# Altium PCB BSPD_mod_0513.PcbDoc
Units mm, origin at the board's own origin, x right, y up, seen from the top; angles counter-clockwise.
Board outline 85 x 75 mm, 2 copper layers (Top Layer, Bottom Layer), stack 1.571 mm thick; 82 components, 51 nets, 239 pads, 122 vias.
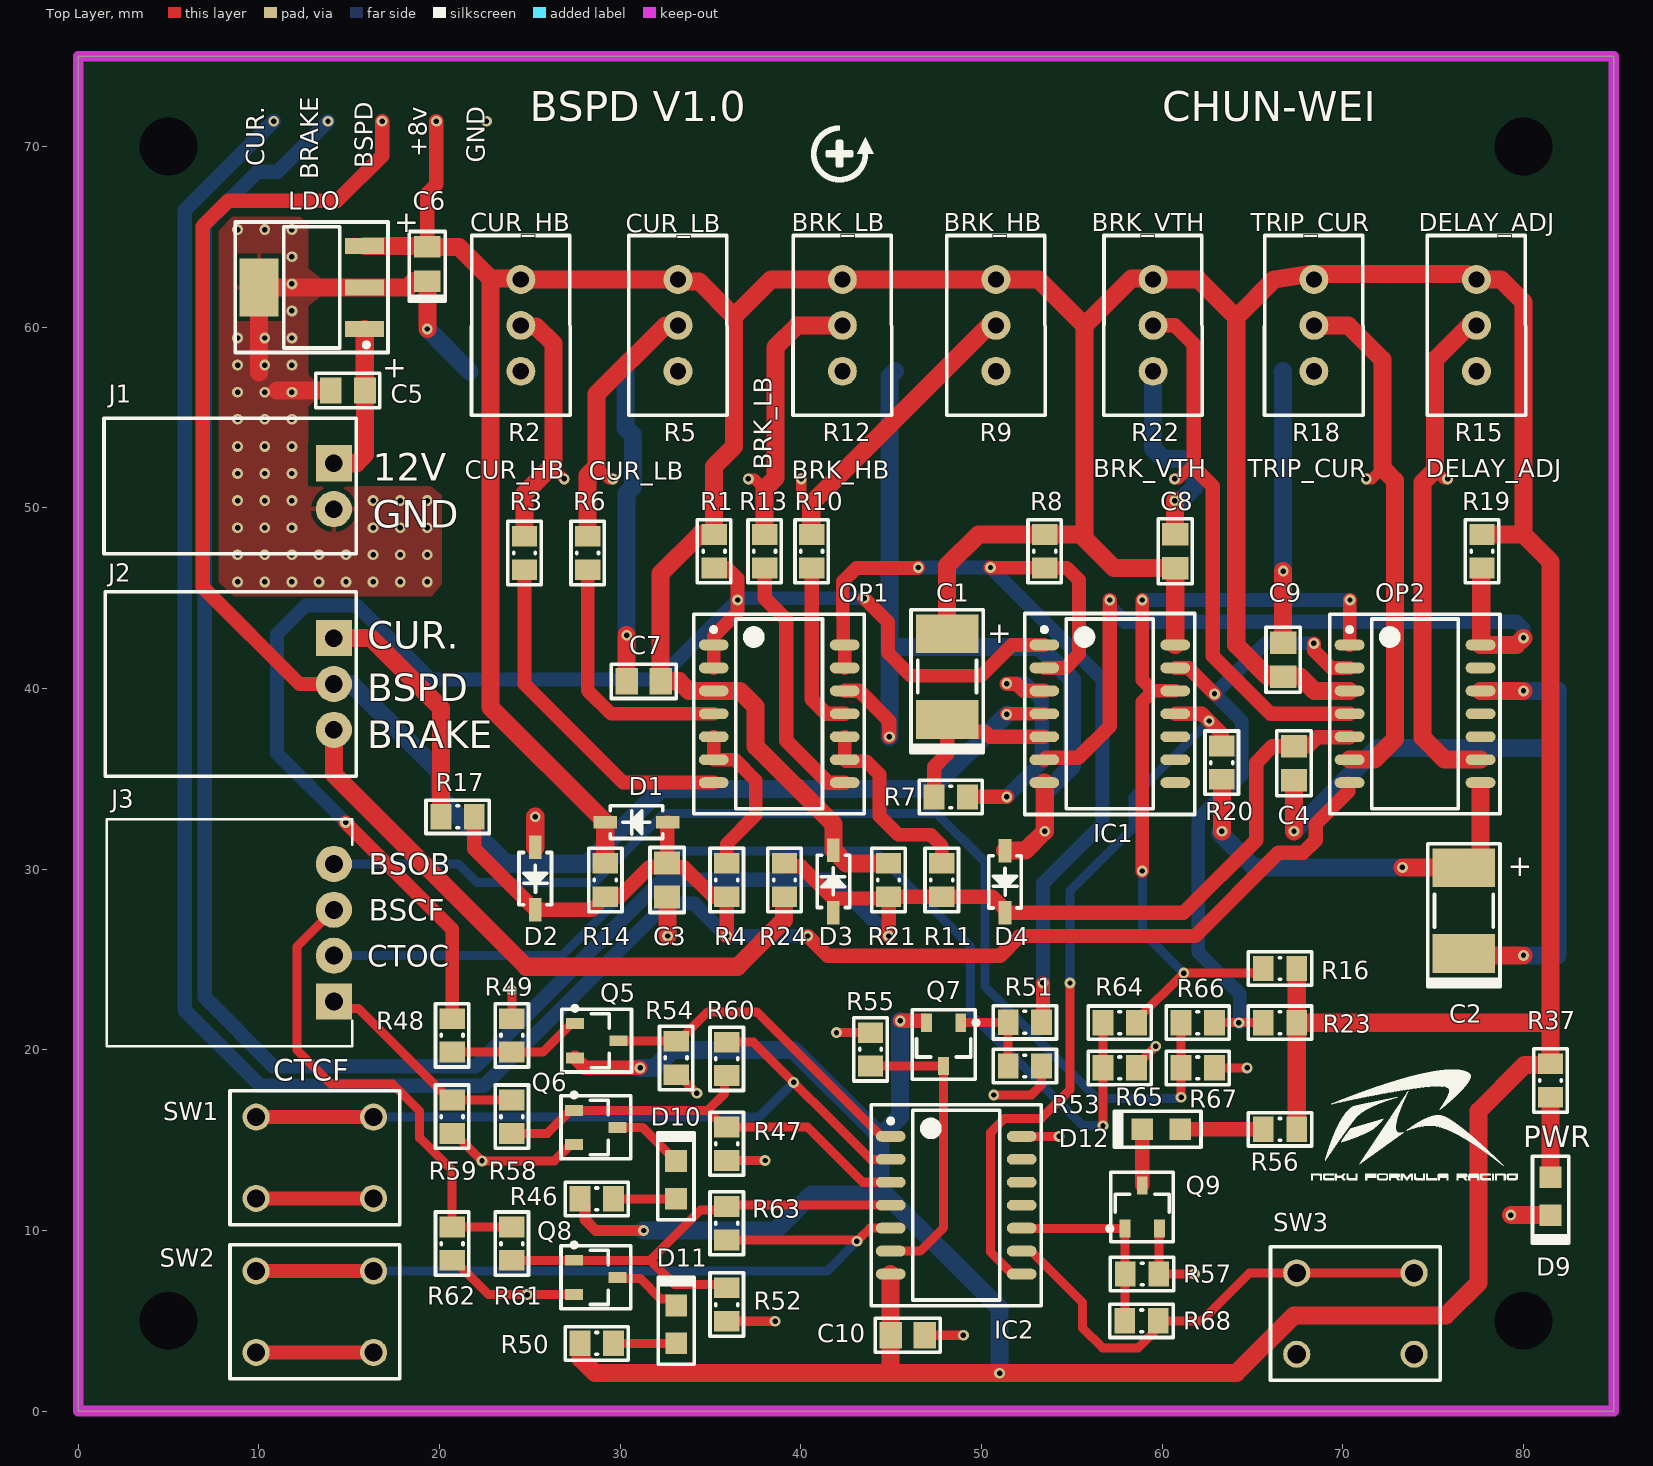
[diagram p0: Top Layer view]
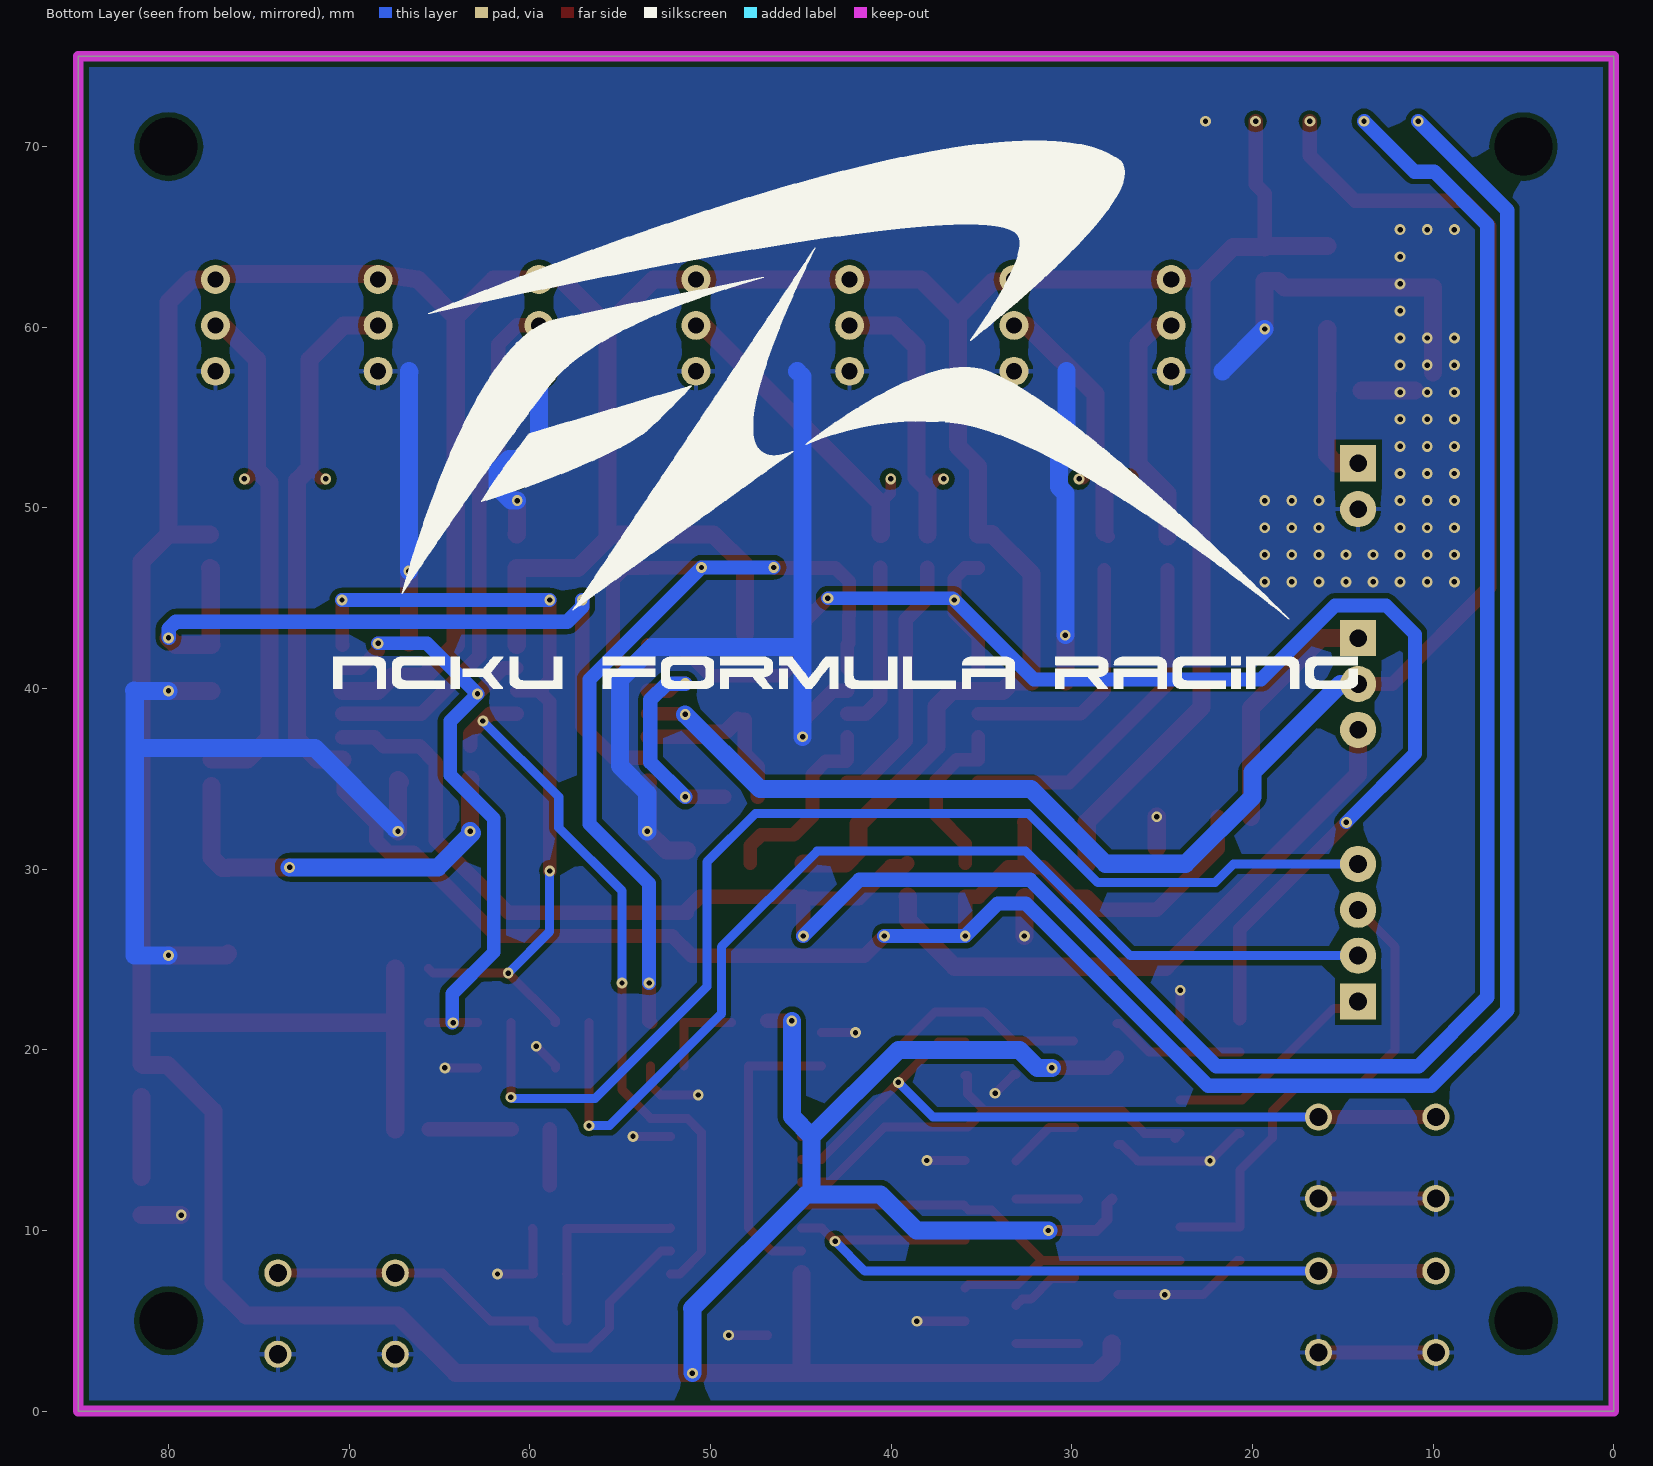
[diagram p1: Bottom Layer view, seen from below]
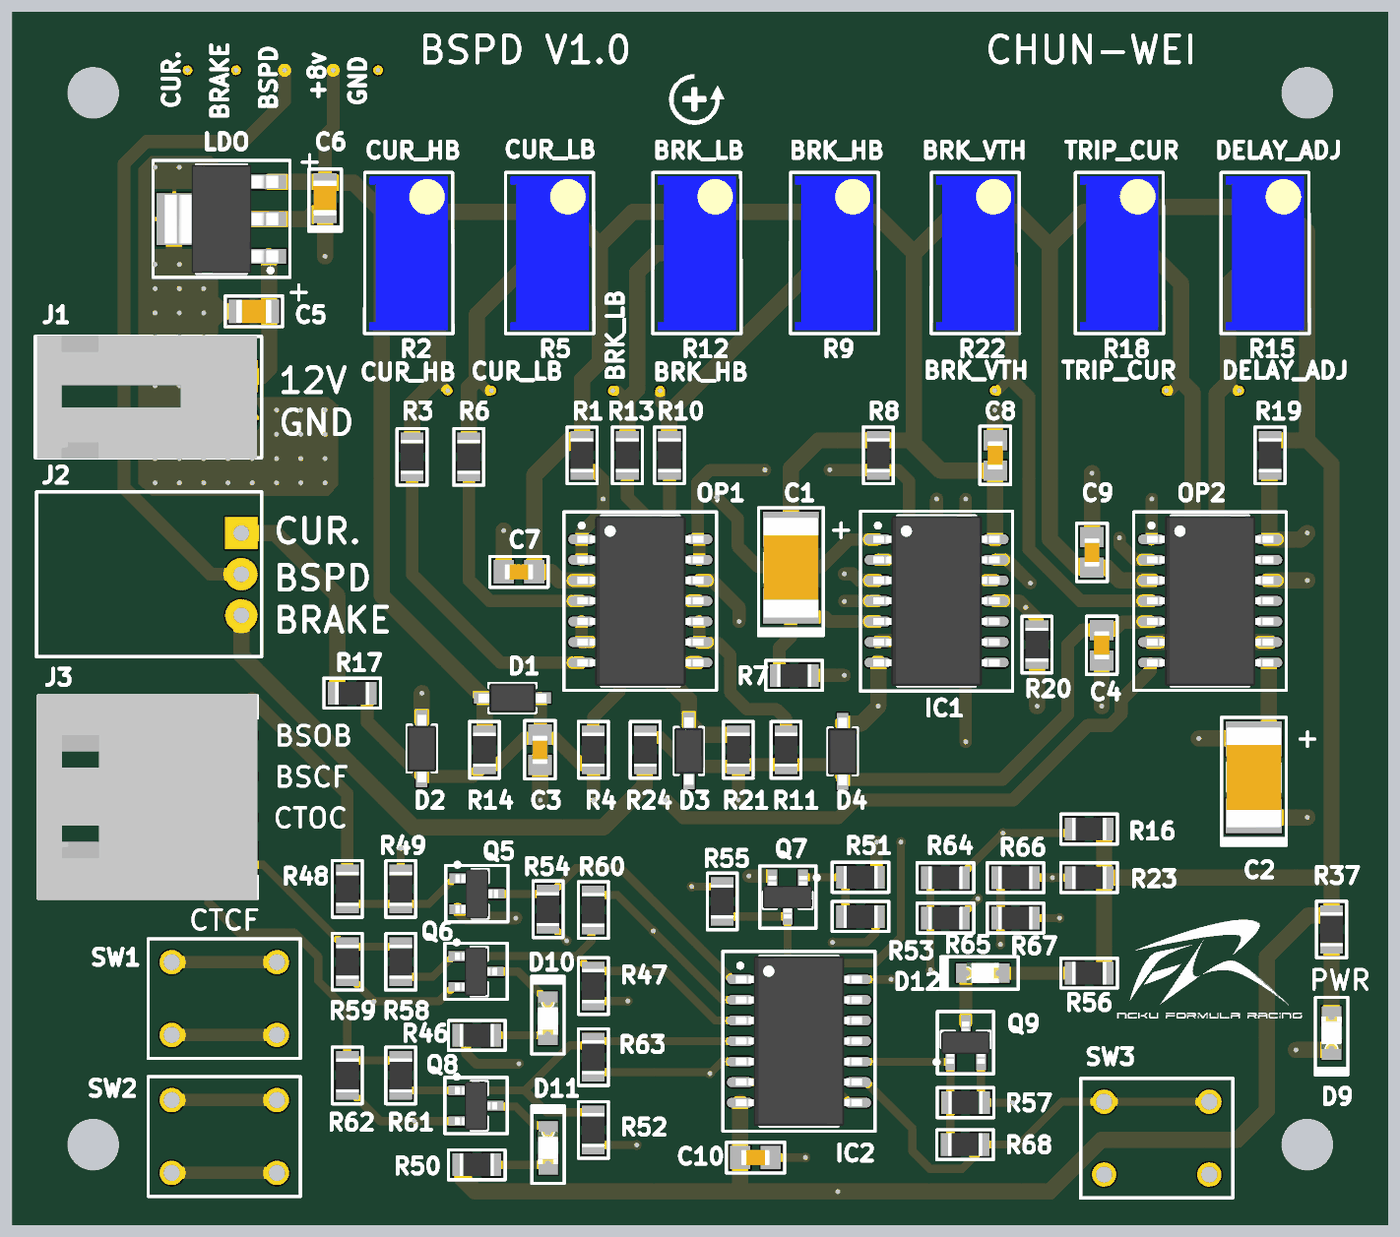
[diagram p2: 3D render of the assembled board from above, using the file's embedded part models]

## Layer stack, top to bottom
Top Solder: solder mask 0.0102, Solder Resist, Dk 3.5
Top Layer: signal copper 0.0356
Dielectric 1: dielectric 1.5, FR-4, Dk 4.8
Bottom Layer: signal copper 0.0356
Bottom Solder: solder mask 0.0102, Solder Resist, Dk 3.5

## Board outline
0,0 0,75 85,75 85,0

## Design rules (kind name [scope] priority, off if disabled: settings)
Clearance [All] p1: gap=0.3 ignorepadtopadclearanceinfootprint=FALSE
PlaneConnect [All] p1: pad.planeconnectstyle=Relief pad.reliefexpansion=0.508 pad.reliefentries=4 pad.reliefconductorwidth=0.254 pad.reliefairgap=0.254 via.planeconnectstyle=Direct via.reliefexpansion=0.508 via.reliefentries=4 via.reliefconductorwidth=0.254 via.reliefairgap=0.254
PolygonConnect [All] p1: thpad.connectstyle=Relief thpad.reliefconductorwidth=0.254 thpad.reliefentries=4 thpad.polygonreliefangle="90 Angle" thpad.airgapwidth=0.254 smdpad.connectstyle=Relief smdpad.reliefconductorwidth=0.254 smdpad.reliefentries=4 smdpad.polygonreliefangle="90 Angle" smdpad.airgapwidth=0.254 via.connectstyle=Direct via.reliefconductorwidth=0.254 via.reliefentries=4 via.polygonreliefangle="90 Angle" via.airgapwidth=0.254
RoomDefinition BSPD_mod_0513 [InComponentClass('BSPD_mod_0513')] p1: confinementstyle=ConfineIn formatcopy=TRUE lockcomponents=FALSE outline 0,0 50.8,0 50.8,25.4 0,25.4
RoutingVias [All] p1: holewidth=0.3 width=0.6 viastyle="Through Hole" minholewidth=0.3 minwidth=0.6 maxholewidth=0.6 maxwidth=1
SolderMaskExpansion [All] p1: expansion=0.102
Width [All] p1: maxlimit=1 minlimit=0.3 preferedwidth=0.5
29 further rules are at their usual default settings.

## Components (designator, comment, footprint, x,y, rotation, side; value= is the part's Value field where it differs from the comment)
C1 "6.8uF" 2312-6.8UF-CAPACITOR 48.1,40.66 r270 top
C2 "6.8uF" 2312-6.8UF-CAPACITOR 76.7,27.7 r270 top
C3 "0.1uF" 0603-0.1UF-CAPACITOR 32.6,29.4 r90 top
C4 "0.1uF" 0603-0.1UF-CAPACITOR 67.3,35.86 r90 top
C5 "0.47uF" 0805-0.47UF-CAPACITOR 14.925,56.5 r0 top
C6 "22uF" 0805-22UF-CAPACITOR 19.325,63.5 r270 top
C7 "0.1uF" 0603-0.1UF-CAPACITOR 31.3,40.4 r0 top
C8 "0.1uF" 0603-0.1UF-CAPACITOR 60.725,47.6 r270 top
C9 "0.1uF" 0603-0.1UF-CAPACITOR 66.7,41.6 r270 top
C10 "0.1uF" 0603-0.1UF-CAPACITOR 45.915,4.2 r180 top
D1 "1N4148" 1N4148W-TP 30.9,32.6 r0 top
D2 "1N4148" 1N4148W-TP 25.3,29.475 r90 top
D3 "1N4148" 1N4148W-TP 41.8,29.325 r270 top
D4 "1N4148" 1N4148W-TP 51.3,29.3 r90 top
D9 "led-150080RS75000" LED-0805 81.5,11.9 r90 top
D10 "led-150080RS75000" LED-0805 33.088,12.8 r270 top
D11 "led-150080RS75000" LED-0805 33.1,4.8 r270 top
D12 "led-150080RS75000" LED-0805 59.95,15.6 r0 top
IC1 "CD4081" CD4081BM 57.1,38.6 r0 top
IC2 "CD4071" CD4081BM 48.6,11.4 r0 top
J1 "header" 2PIN-HEADER 14.15,51.2 r0 top
J2 "header" 3PIN-HEADER 14.15,40.25 r0 top
J3 "4x1 header" *TE_5-103634-3 14.15,26.48 r90 top
LDO "LM2940IMPX-8.0/NOPB" LM2940IMPX-8.0/NOPB 12.925,62.2 r180 top
OP1 "LM339" LM339ADR 38.8,38.6 r0 top
OP2 "LM339" LM339ADR 74,38.6 r0 top
Q5 "TP610K" TP0610K-T1-E3 28.7,20.5 r0 top
Q6 "2N7002" 2N7002 28.65,15.7 r0 top
Q7 "TP610K" TP0610K-T1-E3 47.9,20.3 r270 top
Q8 "2N7002" 2N7002 28.65,7.4 r0 top
Q9 "2N7002" 2N7002 58.9,11.3 r90 top
R1 "10kR" 0805-RESISTOR 35.2,47.6 r90 top
R2 "50kR" 50KR-VERTICAL 24.5,60.1 r0 top
R3 "10kR" 0805-RESISTOR 24.7,47.5 r270 top
R4 "10kR" 0805-RESISTOR 35.9,29.4 r90 top
R5 "50kR" 50KR-VERTICAL 33.2,60.1 r0 top
R6 "10kR" 0805-RESISTOR 28.2,47.5 r270 top
R7 "100kR" 0805-RESISTOR 48.3,34 r180 top
R8 "10kR" 0805-RESISTOR 53.5,47.6 r90 top
R9 "50kR" 50KR-VERTICAL 50.8,60.1 r0 top
R10 "10kR" 0805-RESISTOR 40.6,47.6 r270 top
R11 "10kR" 0805-RESISTOR 47.8,29.4 r90 top
R12 "50kR" 50KR-VERTICAL 42.3,60.1 r0 top
R13 "10kR" 0805-RESISTOR 38,47.6 r270 top
R14 "39kR" 0805-RESISTOR 29.175,29.4 r90 top
R15 "50kR" 50KR-VERTICAL 77.4,60.1 r0 top
R16 "10kR" 0805-RESISTOR 66.525,24.5 r0 top
R17 "100R" 0805-RESISTOR 21,32.9 r0 top
R18 "50kR" 50KR-VERTICAL 68.4,60.1 r0 top
R19 "39kR" 0805-RESISTOR 77.7,47.6 r90 top
R20 "100kR" 0805-RESISTOR 63.3,35.9 r270 top
R21 "39kR" 0805-RESISTOR 44.85,29.4 r90 top
R22 "50kR" 50KR-VERTICAL 59.5,60.1 r0 top
R23 "10kR" 0805-RESISTOR 66.525,21.5 r0 top
R24 "100R" 0805-RESISTOR 39.1,29.4 r90 top
R37 "470R" 0805-RESISTOR 81.5,18.3 r90 top
R46 "470R" 0805-RESISTOR 28.7,11.75 r180 top
R47 "10kR" 0805-RESISTOR 35.9,14.8 r90 top
R48 "100R" 0805-RESISTOR 20.7,20.8 r270 top
R49 "100kR" 0805-RESISTOR 24,20.8 r90 top
R50 "470R" 0805-RESISTOR 28.7,3.75 r180 top
R51 "100R" 0805-RESISTOR 52.4,21.525 r180 top
R52 "10kR" 0805-RESISTOR 35.9,5.9 r90 top
R53 "100kR" 0805-RESISTOR 52.4,19.1 r0 top
R54 "10kR" 0805-RESISTOR 33.1,19.55 r90 top
R55 "10kR" 0805-RESISTOR 43.86,20.025 r270 top
R56 "470R" 0805-RESISTOR 66.525,15.6 r180 top
R57 "10kR" 0805-RESISTOR 58.887,7.59 r180 top
R58 "60KR" 0805-RESISTOR 24,16.3 r90 top
R59 "100kR" 0805-RESISTOR 20.7,16.3 r270 top
R60 "10kR" 0805-RESISTOR 35.9,19.5 r270 top
R61 "60KR" 0805-RESISTOR 24,9.275 r90 top
R62 "100kR" 0805-RESISTOR 20.7,9.275 r270 top
R63 "10kR" 0805-RESISTOR 35.9,10.4 r90 top
R64 "60KR" 0805-RESISTOR 57.65,21.5 r180 top
R65 "100kR" 0805-RESISTOR 57.65,19 r180 top
R66 "60KR" 0805-RESISTOR 61.975,21.5 r180 top
R67 "100kR" 0805-RESISTOR 61.975,19 r180 top
R68 "10kR" 0805-RESISTOR 58.86,5 r180 top
SW1 "(button)95C06A2T" BUTTON-DIP 13.1,14.025 r0 top
SW2 "(button)95C06A2T" BUTTON-DIP 13.1,5.5 r0 top
SW3 "(button)95C06A2T" BUTTON-DIP 70.7,5.4 r0 top

## Footprints (in the part's own frame and the unit in brackets; to place one, negate y for a bottom-side part, rotate by r counter-clockwise, add the part's x,y. Pads: shape width x height; smd on the part's side, far side on the other; paste and mask are expansions set on the pad)
1N4148W-TP [mm] "SODFL, 2-Leads, Body 1.60x4.18mm, IPC Medium Density"
  rect 1.3x0.7 smd: 1(-1.725,0) 2(1.725,0)
  silkscreen extent -1.45,-0.9 1.45,1.6, body extent -2.09,-0.9 2.09,0.9, height 1.35
2N7002 [mm] "SOT23, 3-Leads, Body 2.90x2.45mm, Pitch 0.95mm, IPC Medium Density"
  rect 1x0.6 smd: 1(-1.2,0.95) 2(1.2,0) 3(-1.2,-0.95)
  silkscreen extent -1.92,-1.73 1.92,1.92, body extent -1.3,-1.5 1.3,1.5, height 1.1
2PIN-HEADER [mm]
  rect 2x2 hole 0.97: 1(0,1.27)
  round 2 hole 0.97: 2(0,-1.27)
  silkscreen extent -12.73,-3.75 1.25,3.75, body extent -12.62,-3.81 0.96,3.81, height 7
3PIN-HEADER [mm]
  rect 2x2 hole 0.97: 1(0,2.54)
  round 2 hole 0.97: 2(0,0) 3(0,-2.54)
  silkscreen extent -12.65,-5.1 1.25,5.1, body extent -14.15,-5.03 0.97,5.13, height 7
50KR-VERTICAL [mm]
  round 1.6 hole 0.9: 1(0,2.54) 2(0,0) 3(0,-2.54)
  silkscreen extent -2.73,-4.97 2.73,4.97, body extent -2.43,-4.77 2.41,4.75, height 11.57
0603-0.1UF-CAPACITOR [mm] "Chip Capacitor, 2-Leads, Body 1.60x0.85mm, IPC Medium Density"
  rect 1.25x1.45 smd: 1(-0.94,0) 2(0.94,0)
  silkscreen extent -1.8,-0.95 1.8,0.95, body extent -0.88,-0.48 0.88,0.48, height 0.95
0805-0.47UF-CAPACITOR [mm] "Chip Capacitor, 2-Leads, Body 2.00x1.25mm, IPC Medium Density"
  rect 1.2x1.45 smd: 1(-0.95,0) 2(0.95,0)
  silkscreen extent -1.78,-0.95 1.78,0.95, body extent -1.1,-0.72 1.1,0.72, height 1.1
0805-22UF-CAPACITOR [mm] "Chip Capacitor, 2-Leads, Body 2.00x1.25mm, IPC Medium Density"
  rect 1.2x1.45 smd: 1(-0.95,0) 2(0.95,0)
  silkscreen extent -1.8,-1 2.05,1, body extent -1.1,-0.72 1.1,0.72, height 1.25
0805-RESISTOR [mm] "Chip Resistor, 2-Leads, Body 2.00x1.25mm, IPC Medium Density"
  rect 1.15x1.4 smd: 1(-0.925,0) 2(0.925,0)
  silkscreen extent -1.75,-0.92 1.75,0.92, body extent -1.05,-0.7 1.05,0.7, height 0.6
2312-6.8UF-CAPACITOR [mm] "Chip Capacitor, 2-Leads, Body 6.00x3.25mm, IPC Medium Density"
  rect 2.15x3.45 smd: 1(-2.375,0) 2(2.375,0)
  silkscreen extent -3.7,-2 4.2,2.05, body extent -3.1,-1.7 3.1,1.7, height 2.8
*TE_5-103634-3 [mm]
  rect 2x2 hole 1: 1(-3.81,0)
  round 2 hole 1: 2(-1.27,0) 3(1.27,0) 4(3.81,0)
  silkscreen extent -6.29,-1.02 6.29,12.57, body extent -6.32,-0.99 6.38,12.59, height 7
BUTTON-DIP [mm]
  round 1.5 hole 1: 1(-3.25,2.25) 2(3.25,2.25) 3(-3.25,-2.25) 4(3.25,-2.25)
  silkscreen extent -4.7,-3.7 4.7,3.7
CD4081BM [mm]
  oval 1.65x0.6 smd: 1(-3.625,3.81) 2(-3.625,2.54) 3(-3.625,1.27) 4(-3.625,0) 5(-3.625,-1.27) 6(-3.625,-2.54) 7(-3.625,-3.81) 8(3.625,-3.81) 9(3.625,-2.54) 10(3.625,-1.27) 11(3.625,0) 12(3.625,1.27) 13(3.625,2.54) 14(3.625,3.81)
  silkscreen extent -4.7,-5.58 4.7,5.55, body extent -3.9,-5.25 3.9,5.25, height 2
LED-0805 [mm]
  rect 1.2x1.2 smd: 1(-1.05,0) 2(1.05,0)
  silkscreen extent -2.6,-1 2.2,1, body extent -1,-0.62 1,0.63, height 0.7
LM339ADR [mm]
  oval 1.65x0.6 smd: 1(-3.625,3.81) 2(-3.625,2.54) 3(-3.625,1.27) 4(-3.625,0) 5(-3.625,-1.27) 6(-3.625,-2.54) 7(-3.625,-3.81) 8(3.625,-3.81) 9(3.625,-2.54) 10(3.625,-1.27) 11(3.625,0) 12(3.625,1.27) 13(3.625,2.54) 14(3.625,3.81)
  silkscreen extent -4.72,-5.53 4.7,5.5, body extent -3.9,-5.25 3.9,5.25, height 2
LM2940IMPX-8.0/NOPB [mm] "SOT223, 4-Leads, Body 6.50x7.00mm (avg), Pitch 2.30mm, IPC Medium Density"
  rect 2.15x0.9 smd: 1(-2.925,2.3) 2(-2.925,0) 3(-2.925,-2.3)
  rect 2.15x3.2 smd: 4(2.925,0)
  silkscreen extent -4.23,-3.62 4.23,3.6, body extent -3.5,-3.35 3.5,3.35, height 1.8
TP0610K-T1-E3 [mm] "SOT23, 3-Leads, Body 2.92x2.37mm, Pitch 0.95mm, IPC Medium Density"
  rect 1x0.6 smd: 1(-1.2,0.95) 2(-1.2,-0.95) 3(1.2,0)
  silkscreen extent -1.92,-1.73 1.92,1.92, body extent -1.32,-1.52 1.32,1.52, height 1.12

## Part data
C1: library part 6.8uF-TAJC685K050RNJ, "Cap Tant Solid 6.8uF 50V C CASE 10% (6 X 3.2 X 2.6mm) Inward L SMD 6032-28 1 Ohm 125C T/R", Case/Package=Molded, Case Code (Imperial)=2312, Case Code (Metric)=6032, Dielectric Material=Tantalum, ESR (Equivalent Series Resistance)=1R, Leakage Current=3.4uA, Manufacturer=AVX, Manufacturer Part Number=TAJC685K050RNJ, Max Operating Temperature=125°C, Min Operating Temperature=-55°C, Package Quantity=1, Supplier Part Number 1=581-TAJC685K050RNJ, Tolerance=10%, Voltage Rating=50V, Capacitance=6.8uF, ComponentLink1Description=https://datasheet.ciiva.com/267/taj-267945.pdf?src-supplier=Digi-Key, ComponentLink1URL=https://datasheet.ciiva.com/267/taj-267945.pdf?src-supplier=Digi-Key, ComponentLink2Description=https://datasheet.ciiva.com/267/taj-267946.pdf?src-supplier=Digi-Key, ComponentLink2URL=https://datasheet.ciiva.com/267/taj-267946.pdf?src-supplier=Digi-Key, ComponentLink3Description=https://datasheet.ciiva.com/267/taj-267947.pdf?src-supplier=Digi-Key, ComponentLink3URL=https://datasheet.ciiva.com/267/taj-267947.pdf?src-supplier=Digi-Key, ComponentLink4Description=https://datasheet.ciiva.com/12910/taj-27497-12910591.pdf?src-supplier=Mouser, ComponentLink4URL=https://datasheet.ciiva.com/12910/taj-27497-12910591.pdf?src-supplier=Mouser, ComponentLink5Description=https://datasheet.ciiva.com/17338/taj-17338791.pdf?src-supplier=Avnet+Europe, ComponentLink5URL=https://datasheet.ciiva.com/17338/taj-17338791.pdf?src-supplier=Avnet+Europe, ComponentLink6Description=http://datasheet.octopart.com/TAJC685K050RNJ-AVX-datasheet-50868559.pdf?src-supplier=AVX, ComponentLink6URL=http://datasheet.octopart.com/TAJC685K050RNJ-AVX-datasheet-50868559.pdf?src-supplier=AVX, ComponentLink7Description=http://datasheet.octopart.com/TAJC685K050RNJ-AVX-datasheet-5313859.pdf?src-supplier=Element14, ComponentLink7URL=http://datasheet.octopart.com/TAJC685K050RNJ-AVX-datasheet-5313859.pdf?src-supplier=Element14, ComponentLink8Description=http://datasheet.octopart.com/TAJC685K050RNJ-AVX-datasheet-78694144.pdf?src-supplier=Element14, ComponentLink8URL=http://datasheet.octopart.com/TAJC685K050RNJ-AVX-datasheet-78694144.pdf?src-supplier=Element14, ComponentLink9Description=http://datasheet.octopart.com/TAJC685K050RNJ-AVX-Interconnect---Elco-datasheet-8359467.pdf, ComponentLink9URL=http://datasheet.octopart.com/TAJC685K050RNJ-AVX-Interconnect---Elco-datasheet-8359467.pdf, ComponentLink10Description=http://datasheet.octopart.com/TAJC685K050RNJ-AVX-Interconnect---Elco-datasheet-8398506.pdf, ComponentLink10URL=http://datasheet.octopart.com/TAJC685K050RNJ-AVX-Interconnect---Elco-datasheet-8398506.pdf, ComponentLink11Description=http://datasheet.octopart.com/TAJC685K050RNJ-AVX-Interconnect---Elco-datasheet-12511273.pdf, ComponentLink11URL=http://datasheet.octopart.com/TAJC685K050RNJ-AVX-Interconnect---Elco-datasheet-12511273.pdf, ComponentLink12Description=http://datasheet.octopart.com/TAJC685K050RNJ-AVX-Interconnect---Elco-datasheet-5308206.pdf?src-supplier=Factory+Futures, ComponentLink12URL=http://datasheet.octopart.com/TAJC685K050RNJ-AVX-Interconnect---Elco-datasheet-5308206.pdf?src-supplier=Factory+Futures, ComponentLink13Description=http://datasheet.octopart.com/TAJC685K050RNJ-AVX-Interconnect---Elco-datasheet-5393561.pdf?src-supplier=Factory+Futures, ComponentLink13URL=http://datasheet.octopart.com/TAJC685K050RNJ-AVX-Interconnect---Elco-datasheet-5393561.pdf?src-supplier=Factory+Futures, ComponentLink14Description=http://datasheet.octopart.com/TAJC685K050RNJ-AVX-Interconnect---Elco-datasheet-5428838.pdf?src-supplier=Factory+Futures, ComponentLink14URL=http://datasheet.octopart.com/TAJC685K050RNJ-AVX-Interconnect---Elco-datasheet-5428838.pdf?src-supplier=Factory+Futures, ComponentLink15Description=http://datasheet.octopart.com/TAJC685K050RNJ-AVX-Interconnect---Elco-datasheet-8324253.pdf?src-supplier=Factory+Futures, ComponentLink15URL=http://datasheet.octopart.com/TAJC685K050RNJ-AVX-Interconnect---Elco-datasheet-8324253.pdf?src-supplier=Factory+Futures, ComponentLink16Description=http://datasheet.octopart.com/TAJC685K050RNJ-AVX-Interconnect---Elco-datasheet-8447299.pdf?src-supplier=Factory+Futures, ComponentLink16URL=http://datasheet.octopart.com/TAJC685K050RNJ-AVX-Interconnect---Elco-datasheet-8447299.pdf?src-supplier=Factory+Futures, ComponentLink17Description=http://datasheet.octopart.com/TAJC685K050RNJ-AVX-Interconnect---Elco-datasheet-8621976.pdf?src-supplier=Factory+Futures, ComponentLink17URL=http://datasheet.octopart.com/TAJC685K050RNJ-AVX-Interconnect---Elco-datasheet-8621976.pdf?src-supplier=Factory+Futures, ComponentLink18Description=http://datasheet.octopart.com/TAJC685K050RNJ-AVX-Interconnect---Elco-datasheet-8701730.pdf?src-supplier=Factory+Futures, ComponentLink18URL=http://datasheet.octopart.com/TAJC685K050RNJ-AVX-Interconnect---Elco-datasheet-8701730.pdf?src-supplier=Factory+Futures, ComponentLink19Description=http://datasheet.octopart.com/TAJC685K050RNJ-AVX-Interconnect---Elco-datasheet-8715220.pdf?src-supplier=Factory+Futures, ComponentLink19URL=http://datasheet.octopart.com/TAJC685K050RNJ-AVX-Interconnect---Elco-datasheet-8715220.pdf?src-supplier=Factory+Futures, ComponentLink20Description=http://datasheet.octopart.com/TAJC685K050RNJ-AVX-Interconnect---Elco-datasheet-8836325.pdf?src-supplier=Factory+Futures, ComponentLink20URL=http://datasheet.octopart.com/TAJC685K050RNJ-AVX-Interconnect---Elco-datasheet-8836325.pdf?src-supplier=Factory+Futures, ComponentLink21Description=http://datasheet.octopart.com/TAJC685K050RNJ-AVX-Interconnect---Elco-datasheet-8853265.pdf?src-supplier=Factory+Futures, ComponentLink21URL=http://datasheet.octopart.com/TAJC685K050RNJ-AVX-Interconnect---Elco-datasheet-8853265.pdf?src-supplier=Factory+Futures, ComponentLink22Description=http://datasheet.octopart.com/TAJC685K050RNJ-AVX-Interconnect---Elco-datasheet-8858887.pdf?src-supplier=Factory+Futures, ComponentLink22URL=http://datasheet.octopart.com/TAJC685K050RNJ-AVX-Interconnect---Elco-datasheet-8858887.pdf?src-supplier=Factory+Futures, ComponentLink23Description=http://datasheet.octopart.com/TAJC685K050RNJ-AVX-Interconnect---Elco-datasheet-8877386.pdf?src-supplier=Factory+Futures, ComponentLink23URL=http://datasheet.octopart.com/TAJC685K050RNJ-AVX-Interconnect---Elco-datasheet-8877386.pdf?src-supplier=Factory+Futures, ComponentLink24Description=http://datasheet.octopart.com/TAJC685K050RNJ-AVX-Interconnect---Elco-datasheet-10028080.pdf?src-supplier=Factory+Futures, ComponentLink24URL=http://datasheet.octopart.com/TAJC685K050RNJ-AVX-Interconnect---Elco-datasheet-10028080.pdf?src-supplier=Factory+Futures, ComponentLink25Description=http://datasheet.octopart.com/TAJC685K050RNJ-AVX-Interconnect---Elco-datasheet-10193294.pdf?src-supplier=Factory+Futures, ComponentLink25URL=http://datasheet.octopart.com/TAJC685K050RNJ-AVX-Interconnect---Elco-datasheet-10193294.pdf?src-supplier=Factory+Futures, ComponentLink26Description=http://datasheet.octopart.com/TAJC685K050RNJ-AVX-Interconnect---Elco-datasheet-10285639.pdf?src-supplier=Factory+Futures, ComponentLink26URL=http://datasheet.octopart.com/TAJC685K050RNJ-AVX-Interconnect---Elco-datasheet-10285639.pdf?src-supplier=Factory+Futures, ComponentLink27Description=http://datasheet.octopart.com/TAJC685K050RNJ-AVX-Interconnect---Elco-datasheet-10380087.pdf?src-supplier=Factory+Futures, ComponentLink27URL=http://datasheet.octopart.com/TAJC685K050RNJ-AVX-Interconnect---Elco-datasheet-10380087.pdf?src-supplier=Factory+Futures, ComponentLink28Description=http://datasheet.octopart.com/TAJC685K050RNJ-AVX-Interconnect---Elco-datasheet-10403705.pdf?src-supplier=Factory+Futures, ComponentLink28URL=http://datasheet.octopart.com/TAJC685K050RNJ-AVX-Interconnect---Elco-datasheet-10403705.pdf?src-supplier=Factory+Futures, ComponentLink29Description=http://datasheet.octopart.com/TAJC685K050RNJ-AVX-Interconnect---Elco-datasheet-10545425.pdf?src-supplier=Factory+Futures, ComponentLink29URL=http://datasheet.octopart.com/TAJC685K050RNJ-AVX-Interconnect---Elco-datasheet-10545425.pdf?src-supplier=Factory+Futures, ComponentLink30Description=http://datasheet.octopart.com/TAJC685K050RNJ-AVX-Interconnect---Elco-datasheet-10620092.pdf?src-supplier=Factory+Futures, ComponentLink30URL=http://datasheet.octopart.com/TAJC685K050RNJ-AVX-Interconnect---Elco-datasheet-10620092.pdf?src-supplier=Factory+Futures, ComponentLink31Description=http://datasheet.octopart.com/TAJC685K050RNJ-AVX-Interconnect---Elco-datasheet-10839255.pdf?src-supplier=Factory+Futures, ComponentLink31URL=http://datasheet.octopart.com/TAJC685K050RNJ-AVX-Interconnect---Elco-datasheet-10839255.pdf?src-supplier=Factory+Futures, ComponentLink32Description=http://datasheet.octopart.com/TAJC685K050RNJ-AVX-Interconnect---Elco-datasheet-10851837.pdf?src-supplier=Factory+Futures, ComponentLink32URL=http://datasheet.octopart.com/TAJC685K050RNJ-AVX-Interconnect---Elco-datasheet-10851837.pdf?src-supplier=Factory+Futures, ComponentLink33Description=http://datasheet.octopart.com/TAJC685K050RNJ-AVX-Interconnect---Elco-datasheet-10916590.pdf?src-supplier=Factory+Futures, ComponentLink33URL=http://datasheet.octopart.com/TAJC685K050RNJ-AVX-Interconnect---Elco-datasheet-10916590.pdf?src-supplier=Factory+Futures, ComponentLink34Description=http://datasheet.octopart.com/TAJC685K050RNJ-AVX-Interconnect---Elco-datasheet-11475269.pdf?src-supplier=Factory+Futures, ComponentLink34URL=http://datasheet.octopart.com/TAJC685K050RNJ-AVX-Interconnect---Elco-datasheet-11475269.pdf?src-supplier=Factory+Futures, ComponentLink35Description=http://datasheet.octopart.com/TAJC685K050RNJ-AVX-datasheet-48507738.pdf?src-supplier=Future+Electronics, ComponentLink35URL=http://datasheet.octopart.com/TAJC685K050RNJ-AVX-datasheet-48507738.pdf?src-supplier=Future+Electronics, ComponentLink36Description=http://datasheet.octopart.com/TAJC685K050RNJ-AVX-datasheet-66442782.pdf?src-supplier=Newark, ComponentLink36URL=http://datasheet.octopart.com/TAJC685K050RNJ-AVX-datasheet-66442782.pdf?src-supplier=Newark, ComponentLink37Description=http://datasheet.octopart.com/TAJC685K050RNJ-AVX-datasheet-62304617.pdf?src-supplier=Farnell, ComponentLink37URL=http://datasheet.octopart.com/TAJC685K050RNJ-AVX-datasheet-62304617.pdf?src-supplier=Farnell, ComponentLink38Description=http://datasheet.octopart.com/TAJ-Series---Standard-Tantalum-AVX-datasheet-family-88.pdf, ComponentLink38URL=http://datasheet.octopart.com/TAJ-Series---Standard-Tantalum-AVX-datasheet-family-88.pdf, Depth=3.2mm, Dissipation Factor=6%, Features="General Purpose", Height=2.8mm, Height - Seated (Max)=0.11inch, Lead Free="Lead Free", Length=6mm, Mount="Surface Mount", Packaging="Tape and Reel", Polarity=Polar, Pricing 1="1 = 1.27000, 10 = 0.96300, 100 = 0.75300, 500 = 0.49500, 1000 = 0.43600, 2500 = 0.42200 (USD)", Radiation Hardening=No, REACH SVHC="No SVHC", Stock 1=13768, Supplier 1=Mouser, Termination=SMD/SMT, Voltage Rating (DC)=50V, Weight=0.005291oz, Width=0.126inch